# Altium PCB GSMLiftSquare.PcbDoc
Units mm, origin at the board's own origin, x right, y up, seen from the top; angles counter-clockwise.
Board outline 50.7 x 49.7 mm, 2 copper layers (Top Layer, Bottom Layer); 74 components, 38 nets, 216 pads, 173 vias.
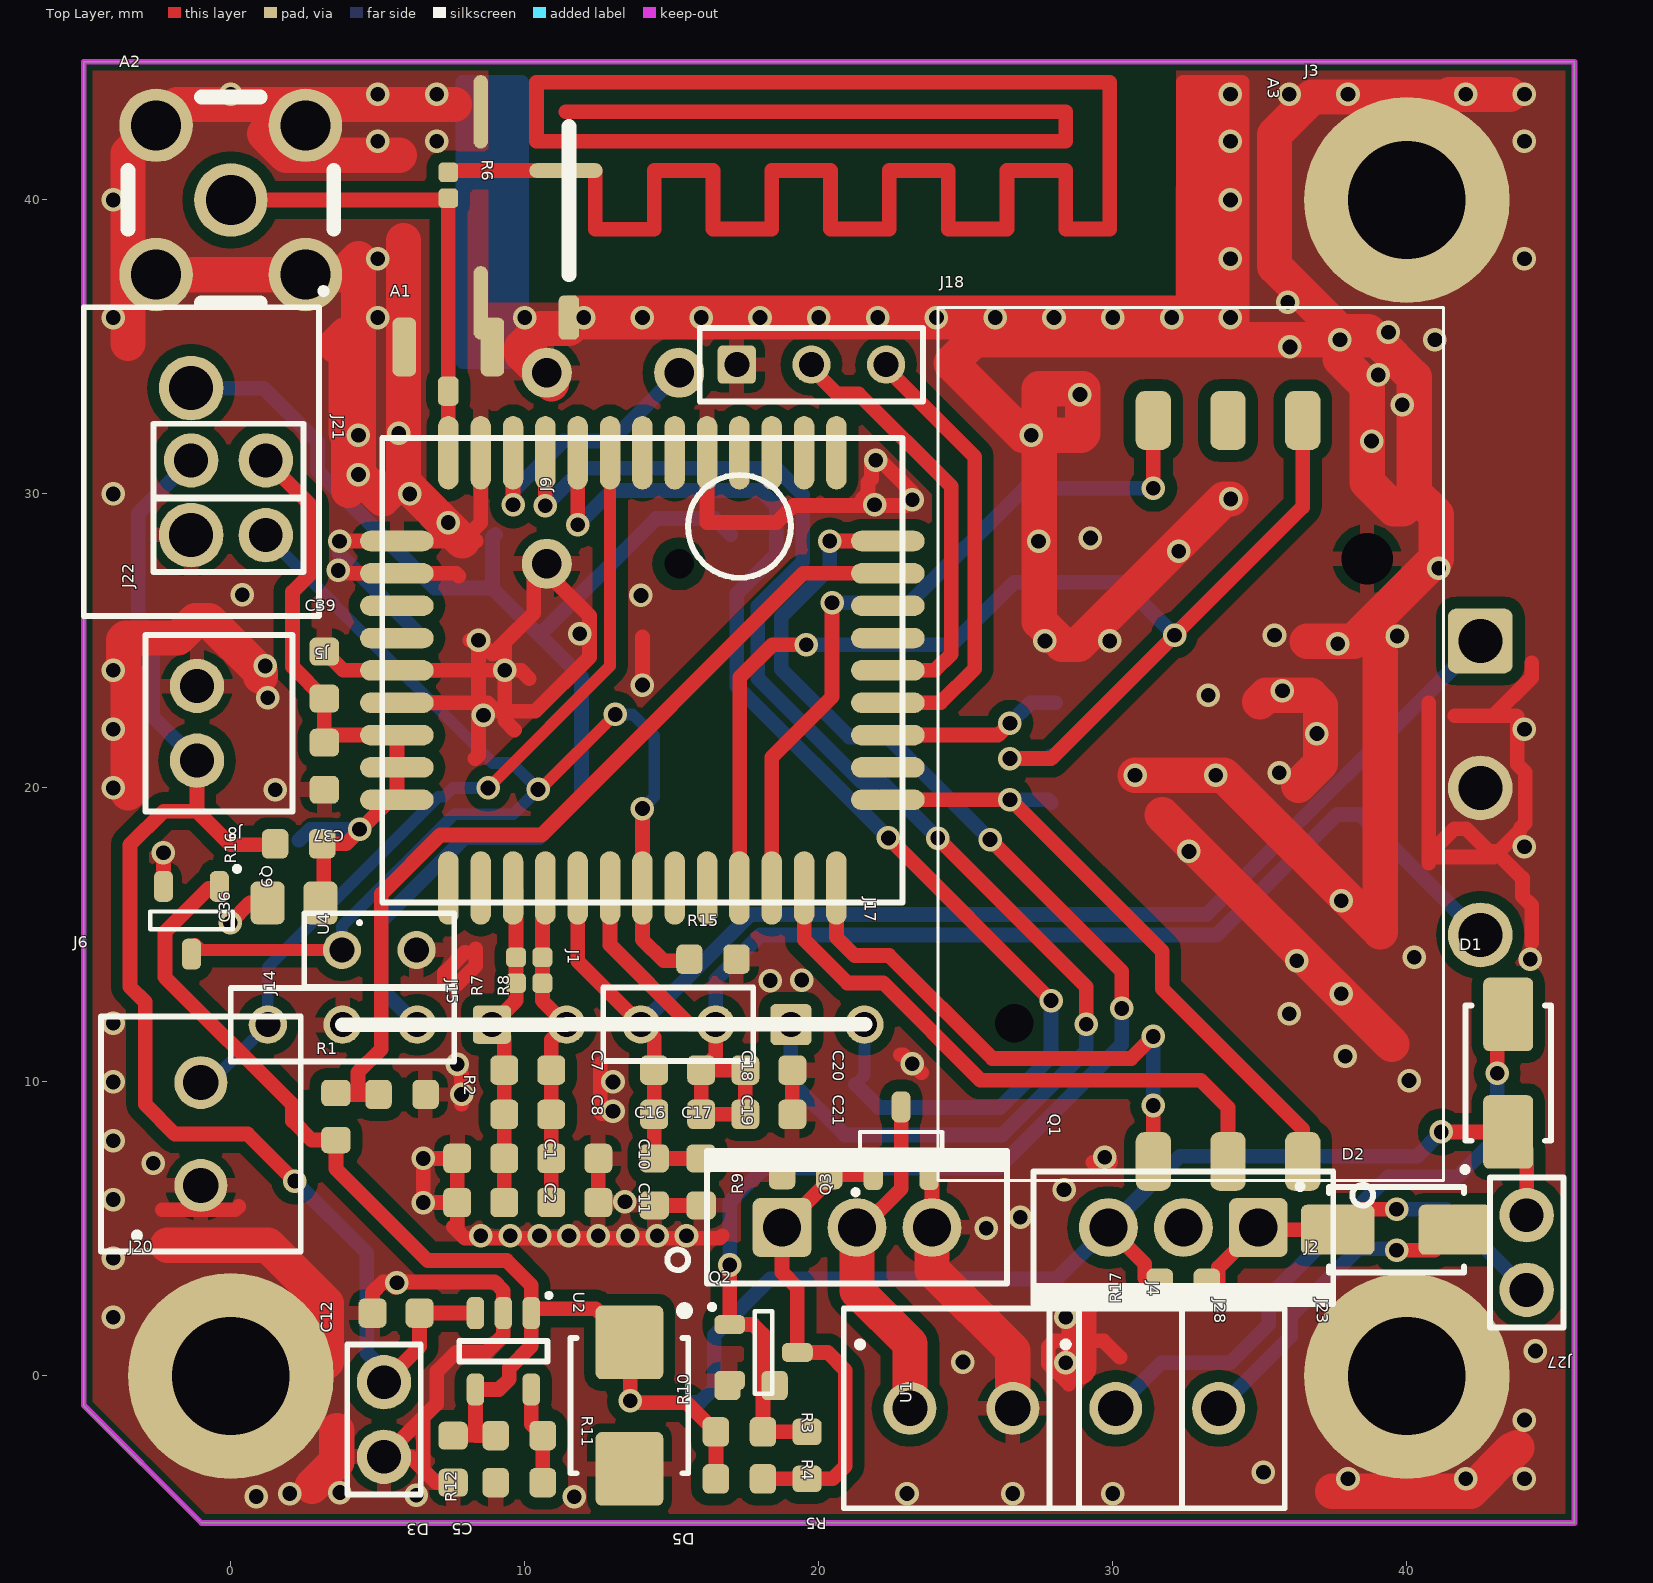
[diagram p0: Top Layer view]
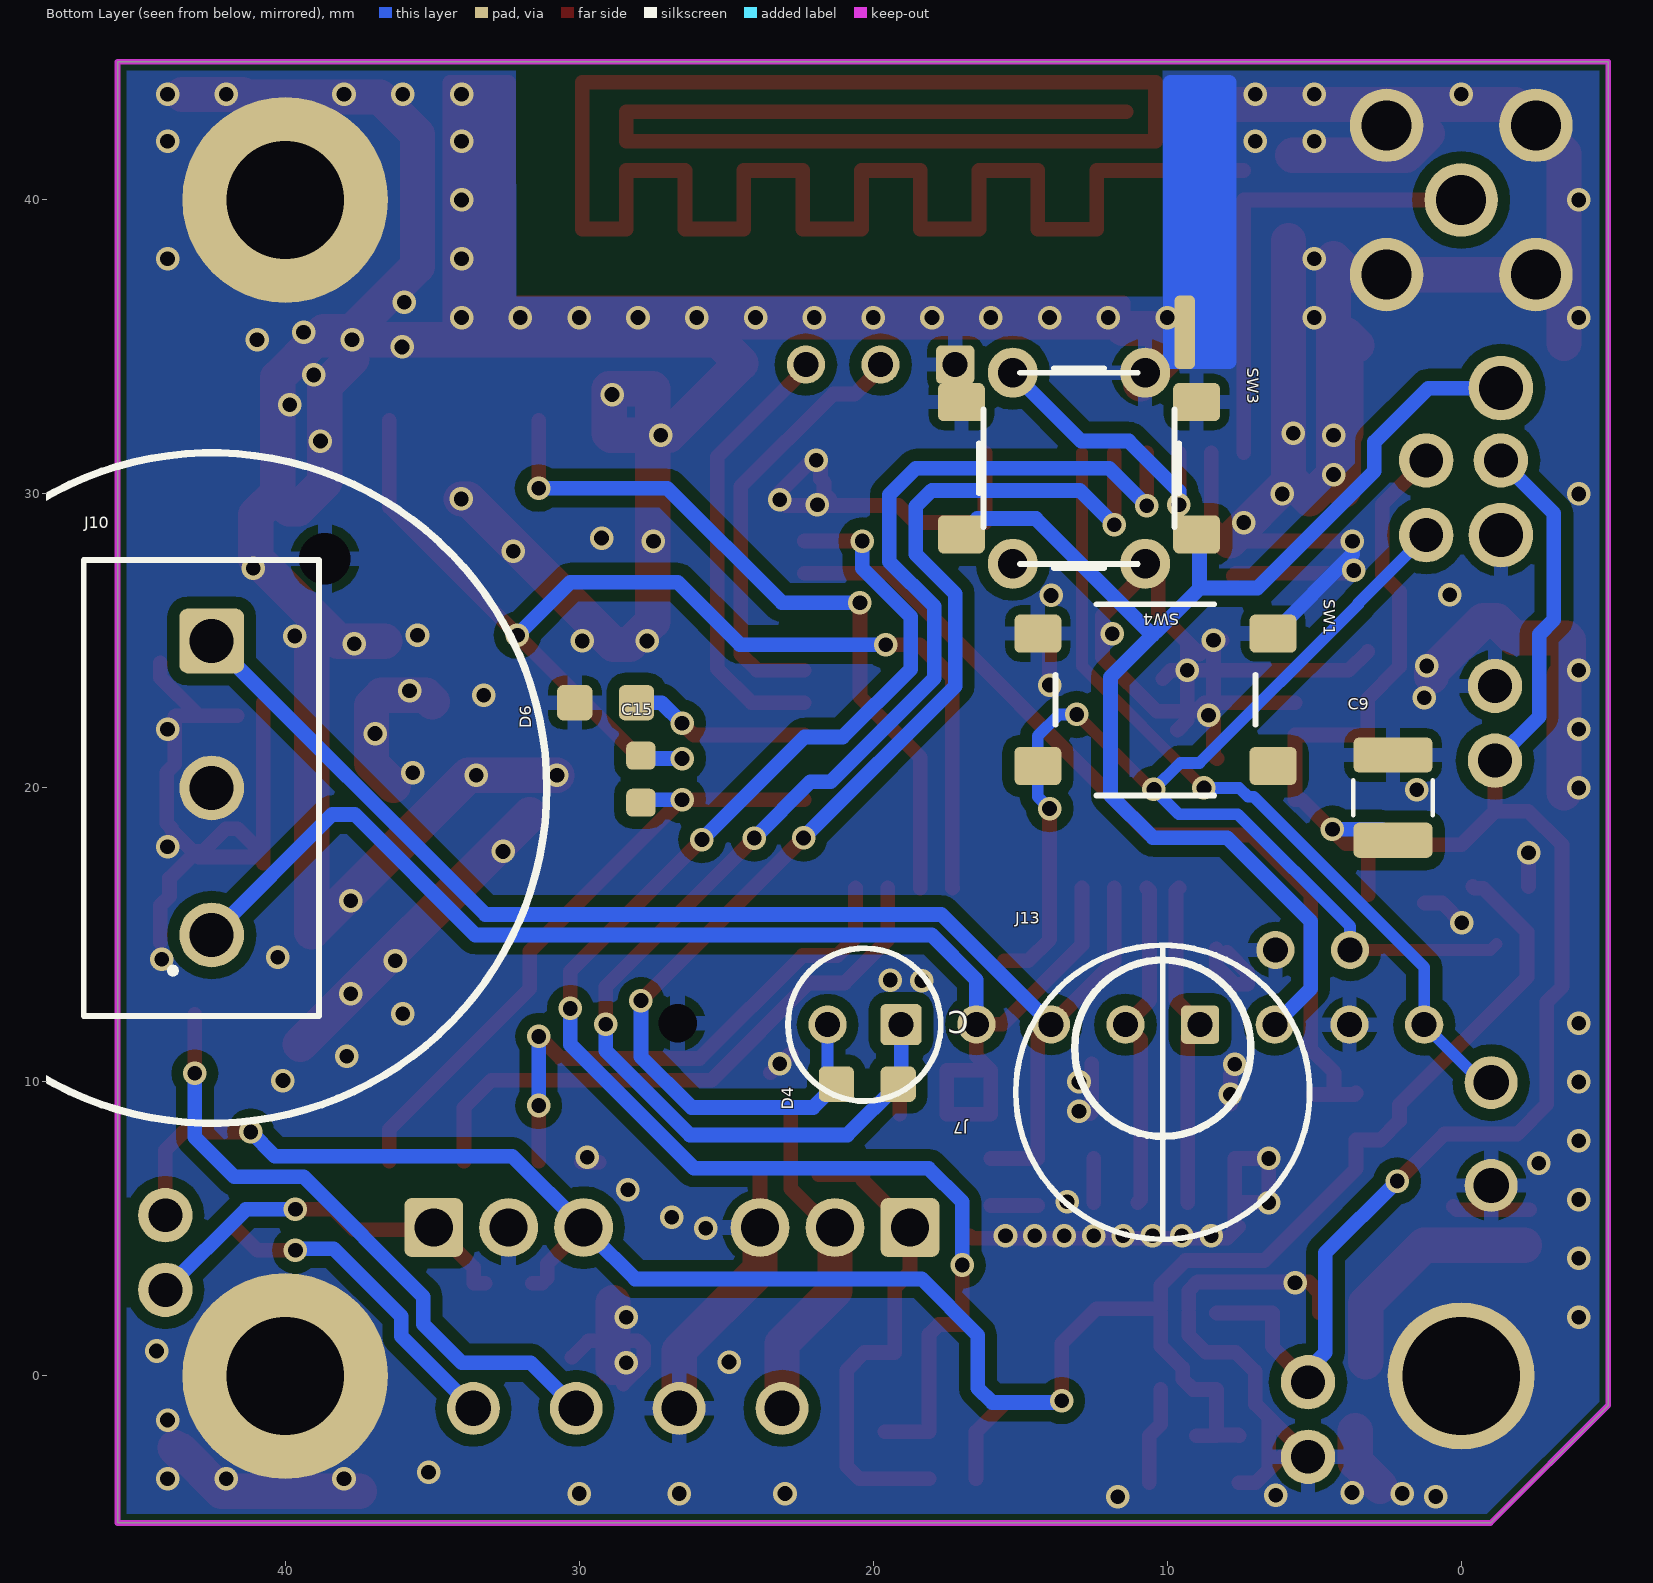
[diagram p1: Bottom Layer view, seen from below]
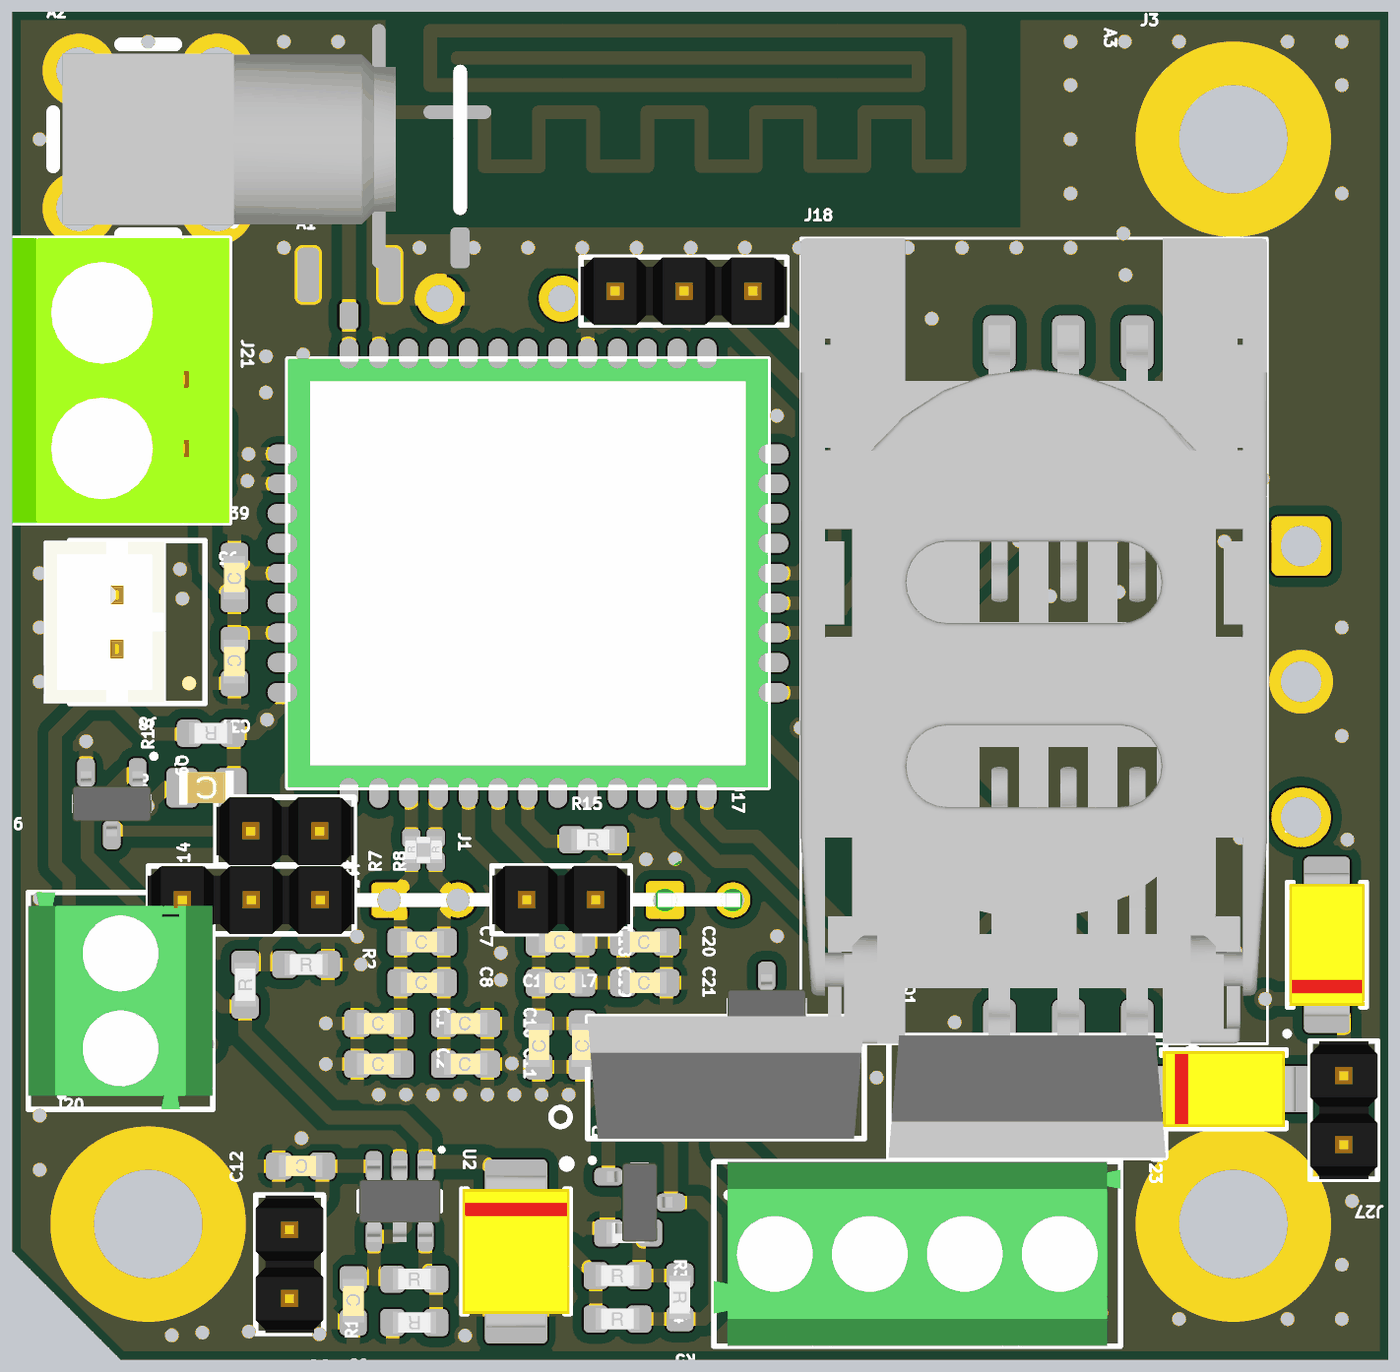
[diagram p2: 3D render of the assembled board from above, using the file's embedded part models]

## Layer stack, top to bottom
Top Solder: solder mask 0.0102, Solder Resist, Dk 3.5
Top Layer: signal copper 0.0356
Dielectric 1: dielectric 0.32, FR-4, Dk 4.8
Bottom Layer: signal copper 0.0356
Bottom Solder: solder mask 0.0102, Solder Resist, Dk 3.5

## Board outline
-5,-1 -1,-5 45.7,-5 45.7,44.7 -5,44.7

## Design rules (kind name [scope] priority, off if disabled: settings)
Clearance Clearance_Keepout [All vs OnLayer('Keep-Out Layer')] p1: gap=0.2
Clearance Clearance_Poly [All vs InPolygon] p2: gap=0.4
Clearance [All] p3: gap=0.2
ComponentClearance [All] p1 off: gap=0.254 collisioncheckmode=3 verticalgap=0.254 showdistances=FALSE
Height [All] p1 off: minheight=0 maxheight=25.4 prefheight=12.7
HoleSize [All] p1: absolutevalues=TRUE maxlimit=5 minlimit=0.025 maxpercent=80.000 minpercent=20.000
HoleToHoleClearance [All] p1: gap=0.25 allowstackedmicrovias=TRUE
PlaneClearance [All] p1: clearance=0.35
PolygonConnect DirectConnectComponents [InComponent(A1,A2,A3)] p1: connectstyle=Direct reliefconductorwidth=0 reliefentries=4 polygonreliefangle="90 Angle" airgapwidth=0.254
PolygonConnect PolygonConnect_1 [InPadClass('Flooded')] p2: connectstyle=Direct reliefconductorwidth=0.254 reliefentries=4 polygonreliefangle="90 Angle" airgapwidth=0.254
PolygonConnect PolygonConnect_GND [All vs IsVia] p3: connectstyle=Direct reliefconductorwidth=0.254 reliefentries=4 polygonreliefangle="90 Angle" airgapwidth=0.254
PolygonConnect [All] p4: connectstyle=Relief reliefconductorwidth=0.5 reliefentries=4 polygonreliefangle="90 Angle" airgapwidth=0.3
RoutingVias [All] p1: holewidth=0.711 width=1.27 viastyle="Through Hole" minholewidth=0.711 minwidth=1.27 maxholewidth=0.711 maxwidth=1.27
SolderMaskExpansion [All] p1: expansion=0.102
UnpouredPolygon [All] p1: allowunpoured=FALSE
Width [All] p1: maxlimit=5 minlimit=0.2 preferedwidth=0.5
24 further rules are at their usual default settings.

## Classes and differential pairs
pad class Flooded: J2-1 J3-1 J10-2 J20-1

## Components (designator, comment, footprint, x,y, rotation, side; value= is the part's Value field where it differs from the comment)
A1 "UFL" SMD_CON_ANTENNA_UFL 7.4,35 r0 top
A2 "SMA" SMD_CON_ANTENNA_SMA_RIGHT_ANGLE 0,40 r0 top
A3 "PCB" SMD_CON_ANTENNA_GSM_PCB_1 9.4,41 r0 top
C1 "33pF" SMD_0603_CAPC1608X95N 8.5,7.4 r0 top
C2 "10pF" SMD_0603_CAPC1608X95N 8.5,5.9 r0 top
C5 "10uF" SMD_0603_CAPC1608X95N 7.56,-2.83 r270 top
C7 "33pF" SMD_0603_CAPC1608X95N 10.1,10.4 r0 top
C8 "10pF" SMD_0603_CAPC1608X95N 10.1,8.9 r0 top
C9 "22uF" SMD_1210_CAPC3225X279N 2.32,19.67 r90 bottom
C10 "33pF" SMD_0603_CAPC1608X95N 11.7,7.4 r0 top
C11 "10pF" SMD_0603_CAPC1608X95N 11.7,5.9 r0 top
C12 "10uF" SMD_0603_CAPC1608X95N 5.62,2.14 r180 top
C15 "1uF" SMD_0603_CAPC1608X95N 27.9,20.3 r90 bottom
C16 "33pF" SMD_0603_CAPC1608X95N 14.4,6.6 r90 top
C17 "10pF" SMD_0603_CAPC1608X95N 16,6.6 r90 top
C18 "33pF" SMD_0603_CAPC1608X95N 15.2,10.4 r0 top
C19 "10pF" SMD_0603_CAPC1608X95N 15.2,8.9 r0 top
C20 "33pF" SMD_0603_CAPC1608X95N 18.3,10.4 r0 top
C21 "10pF" SMD_0603_CAPC1608X95N 18.3,8.9 r0 top
C36 "10uF" SMD_0805_CAPC2012X95N 2.15,16.09 r180 top
C37 "100nF" SMD_0603_CAPC1608X95N 3.18,20.74 r270 top
C39 "10pF" SMD_0603_CAPC1608X95N 3.18,23.84 r90 top
D1 "SS14" SMD_DO214AC_SMA 43.45,10.3 r90 top
D2 "1N4004" SMD_DO214AC_SMA 39.65,4.975 r0 top
D3 "1N4731(A) 4.3V" PTH_HDRV02W64P254_1X02#1 5.21,-1.48 r270 top
D4 "LED_CALL" SMD_0805_LED2012X100N 20.2,9.925 r0 bottom
D5 "SMBJ5.0CA" SMD_DO214AC_SMB 13.56,-1.01 r270 top
D6 "LED_NETWORK" SMD_0805_LED2012X100N 29.1,22.9 r0 bottom
J1 "DLM11G" SMD_COMMON_MODE_CHOKE 10.15,13.794 r270 top
J2 "CON_1PIN" PTH_MOUNT_HOLE#1 40,0 r0 top
J3 "CON_1PIN" PTH_MOUNT_HOLE#1 40,40 r0 top
J4 "CON_2PINS" PTH_HDRV02W11060P350_1X02 24.85,-1.1 r0 top
J5 "CON_2PINS" PTH_HDRV02W11060P500_1X02 -1,31.1 r270 top
J6 "EG350-3.5 2P" PTH_HDRV02W11060P350_1X02 -1.02,8.23 r90 top
J7 "LED_YELLOW_GREEN" PTH_LED-KINGBRIGHT-L-934SGC 20.3,11.95 r0 bottom
J8 "DW02S" PTH_HDRV02W64P254_1X02_BATTERY -1.15,22.2 r270 top
J9 "CON_3PINS" PTH_HDRV03W64P254_1X03#1 19.75,34.4 r180 top
J10 "SPEAKER" PTH_SPEAKER_MCABS-227-RC 42.5,20 r90 bottom
J13 "LD-MC-9765" PTH_MIC_9.6MM_6MM 10.15,11.15 r180 bottom
J14 "CON_2PINS" PTH_HDRV02W64P254_1X02#2 5.05,14.49 r180 top
J15 "CON_3PINS" PTH_HDRV03W64P254_1X03#2 3.8,11.95 r0 top
J17 "CON_2PINS" PTH_HDRV02W64P254_1X02#2 15.22,11.96 r0 top
J18 "GSM SIMH" SMD_CON-ATTEND_SIM_115B-AAA0-R01 38.65,27.8 r90 top locked
J20 "CON_1PIN" PTH_MOUNT_HOLE#2 0,0 r0 top
J21 "CON_2PINS" PTH_HDRV02W64P254_1X02#1 -0.08,31.14 r0 top
J22 "CON_2PINS" PTH_HDRV02W64P254_1X02#3 -0.08,28.6 r180 top
J23 "CON_2PINS" PTH_HDRV02W11060P350_1X02 31.85,-1.1 r0 top
J27 "CON_2PINS" PTH_HDRV02W64P254_1X02#1 44.075,4.2 r270 top
J28 "EG350-3.5 3P" PTH_HDRV02W11060P350_1X03 26.6,-1.1 r0 top
Q1 "AP9987GJ" PTH_TO220AB 21.3,5.4 r0 top
Q2 "BC817" SMD_SOT23_SOT95P240X120-3N 18.12,0.8 r0 top
Q3 "BC817" SMD_SOT23_SOT95P240X120-3N 22.8,8 r90 top
Q9 "DTC114YKA" SMD_SOT23_SOT95P240X120-3N -1.34,15.5 r270 top
R1 "10k" SMD_0603_RESC1608X55N 3.575,8.825 r90 top
R2 "10k" SMD_0603_RESC1608X55N 5.825,9.575 r0 top
R3 "10k" SMD_0603_RESC1608X55N 17.3,-1.9 r0 top
R4 "10k" SMD_0603_RESC1608X55N 17.3,-3.5 r0 top
R5 "0" SMD_0603_RESC1608X55N 19.6,-2.7 r270 top
R6 "0" SMD_0402_RESC1005X37N 7.4,40.5 r270 top
R7 "0" SMD_0402_RESC1005X37N 9.7,13.8 r90 top
R8 "0" SMD_0402_RESC1005X37N 10.6,13.8 r90 top
R9 "10k" SMD_0603_RESC1608X55N 19.55,6.85 r180 top
R10 "10k" SMD_0603_RESC1608X55N 17.695,-0.325 r180 top
R11 "10k" SMD_0603_RESC1608X55N 9.81,-2.03 r0 top
R12 "10k" SMD_0603_RESC1608X55N 9.81,-3.63 r180 top
R15 "0" SMD_0603_RESC1608X55N 16.4,14.175 r0 top
R16 "0" SMD_0603_RESC1608X55N 2.31,18.1 r180 top
R17 "0" SMD_0603_RESC1608X55N 32.4,3.15 r180 top
SW1 "DTSM-62N" SMD_SW_TACT-64K_5 10.4,23 r270 bottom
SW3 "DTSM-65N" SMD_SW_TACT-64K_5 13,30.875 r270 bottom
SW4 "TS-062 (TS-2)" PTH_SWI_TACT-62K_5 13,30.875 r0 bottom
U1 "IC_7805" PTH_TO220AB 32.4,4.7 r180 top
U2 "MCP73811 450mA" "SMD_SOT26_SOT95P285X140-5N - DLV" 9.27,0.84 r270 top
U4 "QUECTEL_M66" SMD_MOD_M66-44N 14,24 r90 top locked

## Footprints (in the part's own frame and the unit in brackets; to place one, negate y for a bottom-side part, rotate by r counter-clockwise, add the part's x,y. Pads: shape width x height; smd on the part's side, far side on the other; paste and mask are expansions set on the pad)
PTH_HDRV02W64P254_1X02#1 [mm]
  round 1.85 hole 1.15 mask+0.075: 1(-1.27,0) 2(1.27,0)
  silkscreen extent -2.55,-1.25 2.55,1.25, body extent -2.54,-1.25 2.54,1.25, height 8
PTH_HDRV02W64P254_1X02#2 [mm]
  round 1.3 hole 0.85 mask+0.075: 1(-1.27,0) 2(1.27,0)
  silkscreen extent -2.55,-1.25 2.55,1.25, body extent -2.54,-1.25 2.54,1.25, height 8
PTH_HDRV02W64P254_1X02#3 [mm]
  round 1.85 hole 1.15 mask+0.075: 1(-1.27,0)
  silkscreen extent -2.55,-1.25 2.55,1.25, body extent -2.54,-1.25 2.54,1.25, height 8
PTH_HDRV02W64P254_1X02_BATTERY [mm]
  round 1.85 hole 1.15 mask+0.075: 1(-1.27,0) 2(1.27,0)
  silkscreen extent -3,-1.75 3,3.25, body extent -3,-2.7 3,1.8, height 6
PTH_HDRV02W11060P350_1X02 [mm]
  round 1.8 hole 1.2 mask+0.075: 1(-1.75,0) 2(1.75,0)
  silkscreen extent -4,-3.4 4,3.4, body extent -4,-3.4 4,3.4, height 8.4
PTH_HDRV02W11060P350_1X03 [mm]
  silkscreen extent -5.75,-3.4 5.75,3.4, body extent -5.75,-2.9 5.75,2.9, height 8.4
PTH_HDRV02W11060P500_1X02 [mm]
  round 2.2 hole 1.5 mask+0.075: 1(-2.5,-0.35) 2(2.5,-0.35)
  silkscreen extent -6,-4 5.25,4.35, body extent -5.25,-4 5.25,4, height 11
PTH_HDRV03W64P254_1X03#1 [mm]
  round 1.3 hole 0.85 mask+0.075: 1(-2.54,0) 2(0,0)
  rrect25% 1.3x1.3 hole 0.85 mask+0.075: 3(2.54,0)
  silkscreen extent -3.8,-1.25 3.8,1.25, body extent -3.81,-1.25 3.81,1.25, height 8
PTH_HDRV03W64P254_1X03#2 [mm]
  round 1.3 hole 0.85 mask+0.075: 1(-2.54,0) 2(0,0) 3(2.54,0)
  silkscreen extent -3.8,-1.25 3.8,1.25, body extent -3.81,-1.25 3.81,1.25, height 8
PTH_LED-KINGBRIGHT-L-934SGC [mm]
  rrect25% 1.4x1.4 / inner round 1.4 / far side rrect25% 1.4x1.4 hole 0.85 mask+0.075: 1(-1.25,0)
  round 1.3 hole 0.85 mask+0.075: 2(1.25,0)
  silkscreen extent -2.6,-2.6 2.6,2.6, body extent -1.6,-1.6 1.6,1.6, height 5.9
PTH_MIC_9.6MM_6MM [mm] "ECM-60PC PMO-6027P-40KDQ(20120820)"
  round 1.3 hole 0.85: 1(-1.27,0.8)
  rrect25% 1.3x1.3 hole 0.85: 2(1.27,0.8)
  silkscreen extent -5,-6.5 5,3.5, body extent -4.81,-6.34 4.85,3.34, height 6.5
PTH_MOUNT_HOLE#1 [mm]
  round 7 hole 4: 1(0,0)
PTH_MOUNT_HOLE#2 [mm]
  round 7 / inner round 7 / far side round 5 hole 4: 1(0,0)
PTH_SPEAKER_MCABS-227-RC [mm]
  round 2.2 hole 1.5 mask+0.075: 1(-5,0) 2(0,0)
  rrect25% 2.2x2.2 hole 1.5 mask+0.075: 3(5,0)
  silkscreen extent -11.4,-11.4 11.4,11.4, body extent -11.31,-11.38 11.4,11.38, height 8.7
PTH_SWI_TACT-62K_5 [mm]
  round 1.7 hole 1 mask+0.075: 1(-2.25,3.25) 2(-2.25,-3.25) 4(2.25,-3.25)
  round 1.7 / inner round 1.7 / far side round 0.5 hole 1 mask+0.075: 3(2.25,3.25)
  silkscreen extent -3.25,-3.4 3.25,3.4, body extent -1.74,-1.75 1.75,1.75, height 5
PTH_TO220AB [mm]
  rrect25% 2x2 hole 1.3 mask+0.075: 1(-2.55,-0.35)
  round 2 hole 1.3 mask+0.075: 2(0,-0.35) 3(2.55,-0.35)
  silkscreen extent -6.45,-2.25 5.1,2.25, body extent -5.12,-2.25 5.12,2.26, height 19.2
SMD_0402_RESC1005X37N [mm]
  rrect45% 0.67x0.67 smd mask+0.05: 1(-0.44,0) 2(0.44,0)
  body extent -0.5,-0.25 0.5,0.25, height 0.37
SMD_0603_CAPC1608X95N [mm]
  rrect42% 0.95x1 smd mask+0.075: 1(-0.8,0) 2(0.8,0)
  body extent -0.8,-0.4 0.8,0.4, height 0.95
SMD_0603_RESC1608X55N [mm]
  rrect44% 0.9x1 smd mask+0.075: 1(-0.8,0) 2(0.8,0)
  body extent -0.8,-0.4 0.8,0.4, height 0.55
SMD_0805_CAPC2012X95N [mm]
  rrect35% 1.15x1.45 smd mask+0.075: 1(-0.9,0) 2(0.9,0)
  body extent -1,-0.62 1,0.63, height 1.25
SMD_0805_LED2012X100N [mm]
  rrect33% 1.2x1.2 smd mask+0.075: 1(-1.05,0) 2(1.05,0)
SMD_1210_CAPC3225X279N [mm]
  rrect35% 1.2x2.7 smd mask+0.075: 1(-1.45,0) 2(1.45,0)
  silkscreen extent -0.6,-1.35 0.6,1.35, body extent -1.6,-1.25 1.6,1.25, height 2.79
SMD_COMMON_MODE_CHOKE [mm] "DLM11G"
  rrect65% 0.5x0.6 smd mask+0.05: 1(-0.4,0.45) 2(0.4,0.45) 3(0.4,-0.45) 4(-0.4,-0.45)
  body extent -0.5,-0.27 0.5,0.28, height 0.55
SMD_CON-ATTEND_SIM_115B-AAA0-R01 [mm] "ATTEND SIM Holder 115B-AAA0-R01"
  rrect50% 2x1.2 smd mask+0.05: 1(-20.5,2.19) 2(-20.5,4.73) 3(-20.5,7.27) 5(4.7,2.19) 6(4.7,4.73) 7(4.7,7.27)
  rrect50% 1x1 hole 1.3 mask+0.05: 13(-15.8,12)
  rrect50% 1x1 hole 1.75 mask+0.05: 14(0,0)
  silkscreen extent -21.15,-2.6 8.55,14.6, body extent -21.15,-2.6 8.55,14.6, height 2.4
SMD_CON_ANTENNA_GSM_PCB_1 [mm]
  oval 2.5x0.5 smd: 1(2,0)
  oval 0.5x2.5 smd: 2(-0.9,-4.498) 2(-0.9,2)
  rrect50% 0.7x2.5 smd far side: 2(0,-5.5)
  rrect50% 0.7x1.5 smd: 2(2.1,-5)
  Top Layer lines w0.5: 2,2 19,2 19,1 1,1 1,3 20.5,3 20.5,-1.99 19,-1.99 19,0 17,0 17,-1.99 15,-1.99 15,0 13,0 13,-1.99 11,-1.99 11,0 9,0 9,-1.99 7,-1.99 7,0 5,0 5,-2 3,-2 3,0 ; 23.5,3 23.5,-5.496 ; 24,-5.496 24,3 24.5,3 24.5,-5.496 ; 2.1,-5.496 2.1,-5.375 ; 2.1,-5.496 2.1,-5.375 ; 2.1,-5.496 2.1,-5.375 ; 2.1,-5.496 2.1,-5.375 ; 2.1,-5.496 3,-5.496 ; 2.1,-5.375 2.1,-5 ; 2.1,-5.375 2.1,-5 ; 2.1,-5.375 2.1,-5 ; 2.1,-5.375 2.1,-5 ; 2.1,-5 2.1,-4.998 ; 2.1,-5 2.1,-4.998 ; 2.1,-5 2.1,-4.998 ; 2.1,-5 2.1,-4.998 ; 2.1,-4.998 3.8,-4.998 6.8,-4.998 23,-4.998 ; 2.1,-4.998 2.1,-4.996 ; 2.1,-4.998 2.1,-4.996 ; 2.1,-4.998 2.1,-4.996 ; 2.1,-4.998 2.1,-4.996 ; 2.1,-4.996 2.1,-4.5 ; 2.1,-4.996 2.1,-4.5 ; 2.1,-4.996 2.1,-4.5 ; 2.1,-4.5 2.1,-4.496 2.1,-4.5 ; 2.1,-4.5 2.572,-4.5 23,-4.5 ; 3,-5.496 5,-5.496 ; 3,-5.496 5,-5.496 ; 3,0 3,0 ; 5,-5.496 13.711,-5.496 23,-5.496 ; 23,-5.496 23.5,-5.496 ; 23,-5.496 23,-4.998 ; 23,-5.496 23,-4.998 ; 23,-4.998 23,-4.5 ; 23,-4.998 23,-4.5 ; 23,-4.5 23,3 25,3 25,-5.496 24.5,-5.496 ; 23.5,-5.496 24.5,-5.496
  Bottom Layer lines w0.5: -1,-6.5 -1.5,-6.5 -1.5,-3.54 -1.5,1.54 -1.5,3 -1,3 ; -1,-6.5 -0.5,-6.5 ; -1,-6.5 -1,-3.54 -1,1.54 -1,3 ; -1,3 -0.5,3 ; -0.5,-6.5 0,-6.5 ; -0.5,-6.5 -0.5,-5.5 -0.5,3 ; -0.5,3 0,3 ; 0,-6.5 0.5,-6.5 0.5,-5.5 0.5,3 0,3 ; 0,-6.5 0,-5.5 0,3
SMD_CON_ANTENNA_SMA_RIGHT_ANGLE [mm]
  round 2.5 hole 1.7: 1(0,0) 2(-2.54,-2.54) 2(-2.54,2.54) 2(2.54,-2.54) 2(2.54,2.54)
  silkscreen extent -3.5,-3.5 11.5,3.5, body extent -3.15,-3.16 9.13,3.15, height 9.7
SMD_CON_ANTENNA_UFL [mm]
  rrect50% 0.7x1 smd: 1(0,-1.5)
  rrect50% 0.8x2 smd: 2(-1.5,0) 2(1.5,0)
SMD_DO214AC_SMA [mm]
  rrect24% 2.5x1.7 smd mask+0.075: 1(-2,0) 2(2,0)
  silkscreen extent -3.46,-1.45 2.3,1.65, body extent -2.64,-1.39 2.64,1.4, height 2.29
SMD_DO214AC_SMB [mm]
  rrect17% 2.5x2.3 smd mask+0.075: 1(-2.15,0) 2(2.15,0)
  silkscreen extent -3.37,-2 2.3,2.01, body extent -2.8,-1.97 2.8,1.98, height 2.65
SMD_MOD_M66-44N [mm] "Quectel M66"
  oval 2.5x0.7 smd mask+0.075: 1(-7.4,6.6) 2(-7.4,5.5) 3(-7.4,4.4) 4(-7.4,3.3) 5(-7.4,2.2) 6(-7.4,1.1) 7(-7.4,0) 8(-7.4,-1.1) 9(-7.4,-2.2) 10(-7.4,-3.3) 11(-7.4,-4.4) 12(-7.4,-5.5) 13(-7.4,-6.6) 23(7.4,-6.6) 24(7.4,-5.5) 25(7.4,-4.4) 26(7.4,-3.3) 27(7.4,-2.2) 28(7.4,-1.1) 29(7.4,0) 30(7.4,1.1) 31(7.4,2.2) 32(7.4,3.3) 33(7.4,4.4) 34(7.4,5.5) 35(7.4,6.6)
  oval 0.7x2.5 smd mask+0.075: 14(-4.4,-8.35) 15(-3.3,-8.35) 16(-2.2,-8.35) 17(-1.1,-8.35) 18(0,-8.35) 19(1.1,-8.35) 20(2.2,-8.35) 21(3.3,-8.35) 22(4.4,-8.35) 36(4.4,8.35) 37(3.3,8.35) 38(2.2,8.35) 39(1.1,8.35) 40(0,8.35) 41(-1.1,8.35) 42(-2.2,8.35) 43(-3.3,8.35) 44(-4.4,8.35)
  silkscreen extent -8.69,-8.85 7.9,9.73, body extent -7.9,-8.85 7.9,8.85, height 2.3
SMD_SOT23_SOT95P240X120-3N [mm]
  rrect62% 1.05x0.65 smd mask+0.075: 1(-1.15,0.95) 2(-1.15,-0.95) 3(1.15,0)
  silkscreen extent -1.82,-1.4 0.3,1.62, body extent -1.2,-1.45 1.2,1.45, height 1.2
"SMD_SOT26_SOT95P285X140-5N - DLV" [mm]
  rrect67% 1.1x0.6 smd mask+0.075: 1(-1.3,0.95) 2(-1.3,0) 3(-1.3,-0.95) 4(1.3,-0.95) 5(1.3,0.95)
  silkscreen extent -2.05,-1.5 0.35,1.7, body extent -1.5,-1.5 1.5,1.5, height 1.2
SMD_SW_TACT-64K_5 [mm]
  rrect31% 1.3x1.6 smd mask+0.075: 1(-2.25,4) 2(-2.25,-4) 3(2.25,4) 4(2.25,-4)
  silkscreen extent -3.25,-3.4 3.25,3.4, body extent -1.74,-1.75 1.75,1.75, height 5

## Part data
A1 A2 A3: library part ANTENNA_2
C1 C2 C5 C7 C8 C10 C11 C12 C15 C16 C17 C18 C19 C20 C21 C36 C37 C39: library part C
C9: library part "Cap Semi", "CL32A227MQVNNNE 220UF 6.3V 20% X5R 1210"
D1 D2 D3 D4 D5 D6: library part D
J1: library part CON_4PINS
J6 J7 J8 J13: library part CON_2PINS
J10 J28: library part CON_3PINS
J18: library part CON_14PINS
Q1: library part MOS_N_D1_G1D2S3
Q2 Q3 Q9: library part BJT_NPN_B1E2C3
R1 R2 R3 R4 R5 R6 R7 R8 R9 R10 R11 R12 R15 R16 R17: library part R
SW1 SW3 SW4: library part BUTTON_1
U2: "MCP73812"
U4: library part MOD_QUECTEL_M66

## Via types
v1: diameter 0.8, hole 0.5, Top Layer to Bottom Layer, tented both sides, 173 vias

## Nets (pads, with @x,y where several pads share a name; then routed paths per layer and width w, separated by ;. In a path a pad name is that pad's centre, name@x,y a point inside that pad or via, vN(x,y) a via of type N, cw(c..) or ccw(c..) an arc to the next point about the centre after c; other vN are vias at no path point)
5.0V: C5.1 D1.1 D5.1 J27.1 Q9.1 R1.1 R3.1 R4.1 R11.1 R17.2 U1.3 U2.1 U2.4 | length 80.5
  Top Layer w0.5: Q9.1 -0.45,16.59 -0.75,16.59 -2.24,15.1 -2.24,13.57 2.1,9.23 2.1,8.675 2.75,8.025 R1.1 3.575,7.052 6.702,3.925 8.852,3.925 8.857,3.93 9.143,3.93 9.148,3.925 9.385,3.925 10.22,3.09 10.22,2.29 12.41,2.29 D5.1 13.59,1.11 v1(13.59,-0.84) 13.66,-0.91 15.51,-0.91 R3.1 R4.1 ; C5.1 7.58,-2.01 8.32,-2.01 ; R11.1 8.34,-2.03 8.32,-2.01 ; U2.1 10.22,1.02 9.47,0.27 9.47,-0.11 9.12,-0.46 U2.4 8.32,-2.01 ; U1.3 31.087,3.813 31.087,3.331 31.268,3.15 R17.2 ; v1(41.175,8.3) D1.1@43.075,8.3 ; D1.1 44.075,7.675 J27.1
  Bottom Layer w0.5: v1(13.59,-0.84) 13.65,-0.9 15.95,-0.9 16.441,-0.409 16.441,1.391 18.35,3.3 28.1,3.3 29.6,4.8 U1.3@30,4.8 ; U1.3 32.275,7.475 40.35,7.475 v1(41.175,8.3)
12V: D2.1 J27.2 R17.1 U1.1 | length 13.4
  Top Layer w0.5: R17.1 33.587,3.15 33.587,3.687 U1.1 35.025,4.975 D2.1 38.35,5.675 v1(39.65,5.675)
  Bottom Layer w0.5: v1(39.65,5.675) 41.33,5.675 J27.2
AGND: U4.1
BT_ANT: U4.26
BTN_CALL: J5.1 J15.3 SW3.3 SW3.4 SW4.4 U4.33 | length 54.3
  Top Layer w0.5: v1(9.6,29.629) U4.33
  Bottom Layer w0.5: J5.1 1.119,33.6 2.954,31.765 2.954,30.776 6.93,26.8 8.9,26.8 ; J15.3 5.12,13.17 5.12,15.47 7.96,18.31 10.48,18.31 11.93,19.76 11.93,23.77 8.9,26.8 ; SW3.3 8.9,28.525 8.9,26.8 ; v1(9.6,29.629) 9.6,30.1 11.3,31.8 12.925,31.8 SW4.4 ; 10.5,25.2 14.464,29.164 16.461,29.164 SW3.4
BTN_CALL_DENY: J6.2 J15.1 U4.30 | length 28.2
  Top Layer w0.4: J6.2 J6.2@-0.71,9.98 ; v1(8.75,20) 12.9,24.15 U4.30
  Bottom Layer w0.4: J6.2@-0.71,9.98 J15.1 1.26,13.9 7.06,19.7 7.248,19.7 7.547,20 v1(8.75,20)
DIV_IN: U4.28
GATE: Q1.1 Q2.3 Q3.1 R4.2 R5.2 R9.1 | length 16.4
  Top Layer w0.5: R4.2 R5.2 20.47,-3.5 20.9,-3.07 20.9,0.2 20.3,0.8 Q2.3 19.27,3 18.75,3.52 Q1.1 R9.1@20.35,6.65 ; R9.1 Q3.1
GND: A1.2 A2.2 A3.2 C1.1 C2.1 C5.2 C9.2 C10.2 C11.2 C12.2 C16.1 C17.1 C20.2 C21.2 C36.2 C37.2 C39.2 D3.2 D5.2 D6.2 J2.1 J3.1 J4.2 J5.2 J6.1 J8.1 J9.3 J10.2 J14.1 J15.2 J18.13 J18.14 J20.1 Q1.3 Q2.2 Q3.2 Q9.2 R2.2 R9.2 R10.2 R12.2 R15.2 SW1.1 SW1.2 SW3.1 SW3.2 SW4.1 SW4.2 U1.2 U2.2 U4.27 U4.34 U4.36 U4.37 U4.40 U4.41 | length 356
  Top Layer w0.5: -2.331,5.65 0.153,5.65 0.27,5.767 ; Q9.2 v1(-2.29,17.8) ; v1(-0.022,15.417) 0.651,16.09 C36.2 ; C39.2 3.82,24 U4.40 8.425,24 ; v1(3.655,27.4) 3.755,27.3 U4.37 7.657,27.3 7.75,27.207 ; v1(3.7,28.393) 3.707,28.4 U4.36 7.874,28.4 ; C12.2@4.82,2.15 4.82,2.84 5.18,3.2 8.97,3.2 9.27,2.9 U2.2@9.27,2.29 ; U4.41 8.425,22.9 ; 6.56,-1.4 6.55,-1.41 ; C5.2 6.99,-3.63 6.55,-3.19 ; 7.573,5.075 7.7,4.948 ; v1@7.75,10.35 7.844,10.256 v1@7.844,9.243 ; 7.963,14.413 7.27,13.721 7.27,13.32 7.7,13.32 8.329,13.95 8.329,14.52 ; v1@8.131,25.025 v1(8.425,25.025) ; 8.309,21 8.425,21.116 8.425,22.9 ; 8.347,28.4 7.874,28.4 ; U4.34 8.5,29.026 7.874,28.4 ; U2.2 9.27,1.39 8.69,0.81 7.67,0.81 7.01,0.15 7.01,-0.95 6.55,-1.41 ; 9.65,21.97 9.315,22.305 9.315,22.61 ; 10.15,23.72 9.87,24 v1(9.315,24) ; C11.2 C10.2 ; 12.57,10.61 12.57,8.977 v1@12.629,8.918 ; v1(14,23.5) 14,25.137 ; C16.1 C17.1 ; U4.27 16.2,29.027 18.559,29.027 19.138,29.606 22.977,29.606 v1(23.177,29.807) 23.177,30.056 22.088,31.145 v1(21.941,31.145) 21.79,30.994 21.79,30.51 21.671,30.392 21.671,30.03 21.473,29.832 ; 16.72,4.775 16.633,4.688 7.96,4.688 7.7,4.948 ; C21.2 C20.2 ; 22.773,10.927 22.873,10.927 23.49,10.31 ; Q1.3 Q3.2@23.85,6.975 ; 28.496,-0.271 27.8,0.425 27.8,0.996 28.004,1.2 28.852,1.2 29.682,1.2 30.243,0.639 ; 29.325,7.266 v1@29.924,7.266 ; 40.75,17.439 40.75,17.75 ; 40.75,22.899 40.75,17.75 ; 41.633,22.456 42.948,22.456 ; 44.25,14.736 44.25,16.003 43.932,16.321 43.932,16.935 43.082,17.786 43.025,17.842 42.793,17.842 42.023,18.613 41.613,18.613 40.75,17.75 ; 44.25,24.25 44.25,23.758 42.948,22.456 ; 6.55,-3.19 6.11,-2.75 D3.2 6.55,-1.41 ; 6.55,-3.19 6.55,-1.41 ; 7.7,4.948 C2.1 ; C2.1 v1(6.55,5.9) v1(6.55,7.4) C1.1 C2.1 ; 8.425,22.9 8.425,24 ; 8.425,22.9 8.74,22.9 9.03,22.61 9.315,22.61 ; 8.425,24 v1(8.425,25.025) ; 8.425,24 v1(9.315,24) ; v1(8.425,25.025) 8.9,24.55 9.315,24.965 ; 9.315,22.61 v1(9.315,24) ; 9.315,22.61 10.36,22.61 12.2,24.45 12.2,25.858 10.558,27.5 10.456,27.5 10.3,27.344 10.3,25.95 9.315,24.965 ; v1(9.315,24) 9.315,24.965 ; 40.75,17.75 40.846,17.654 42.951,17.654 43.86,18.564 43.86,18.632 44.025,18.797 44.025,20.536 43.753,20.808 43.753,22.429 43.727,22.456 42.948,22.456
  Top Layer w1.2: -3.5,19.843 -3.5,23.795 -3.645,23.94 -3.645,25.025 -3.57,25.1 -1.801,25.1 -1.201,25.7 -0.75,25.7 1.01,23.94 v1@1.01,23.799 ; -3.5,35.125 -3.5,41.58 -1.83,43.25 7.612,43.25 ; A2.2@-2.54,37.46 3.801,37.46 4.341,38 v1(4.341,30.661) 5.164,29.838 5.873,30.546 ; -2.15,4.447 1.266,4.447 3.245,2.468 J20.1@3.245,0.482 ; 1.156,42.25 1.884,41.521 5.727,41.521 ; 2.765,-3.75 3.602,-2.913 3.602,-1.865 ; 3.549,35.054 3.92,35.425 3.92,32.08 4,32 4,30.124 ; 5.873,38.621 5.873,30.546 ; 7.874,28.4 5.873,30.401 5.873,30.546 ; SW4.2@10.909,33.75 9.9,34.759 9.9,35 10.525,35.625 A3.2@11.5,35.625 ; Q1.3 23.85,3.612 26.6,0.862 J4.2 ; 28.852,0.298 28.852,1.2 28.852,2.495 ; v1(30.756,20.432) 33.774,20.432 39.101,15.105 39.101,24.592 ; 31.68,19.091 39.488,11.283 ; v1(34.012,29.832) 33.779,29.832 28.827,24.88 28.284,24.88 27.5,25.664 v1@27.5,32 ; 35,22.933 35.217,23.15 36.724,23.15 37.066,22.808 37.066,20.839 36.314,20.087 ; 36.617,24.991 38.191,24.991 41,27.8 41,29.292 40.25,30.042 40.25,33.968 38.968,35.25 ; 37.475,-3.925 42.165,-3.925 43.566,-2.524 ; 39.874,29.501 39.553,29.501 38.65,30.404 38.65,33.671 37.725,34.596 v1(37.725,35.25) ; 43.445,-2.75 43.75,-2.445 ; 43.5,43.587 41.451,43.587 41.363,43.5 36.778,43.5 35.5,42.222 35.5,37.75 v1@37.725,35.525 ; v1@27.5,32 28.92,32 28.98,32.06 28.98,33.576 27.5,33.576 v1@27.5,32 ; v1@27.5,32 26.95,32 24.5,34.45 25.3,35.25 v1(37.725,35.25) ; v1(37.725,35.25) 38.968,35.25 ; v1(37.725,35.25) v1@37.725,35.525 ; v1@37.725,35.525 38.693,35.525 38.968,35.25
  Bottom Layer w0.5: v1(3.7,28.393) 3.7,27.95 SW1.1
  other v1: 0.87,-4.1 11.68,-4.11 6.31,-4.06 2,-4 23,-4 26.6,-4 30,-4 3.711,-3.964 38,-3.5 42,-3.5 44,-3.5 35.125,-3.275 44,-1.5 28.4,0.45 24.904,0.474 44.375,0.85 -4,2 28.4,2 5.65,3.17 -4,4 8.5,4.775 9.5,4.775 10.5,4.775 11.5,4.775 12.5,4.775 13.5,4.775 14.5,4.775 15.5,4.775 25.7,5.025 26.85,5.4 13.407,5.925 -4,6 28.34,6.334 -2.64,7.24 29.729,7.44 -4,8 13,9 7.85,9.575 -4,10 13,10 40.075,10.05 7.7,10.6 23.182,10.619 37.907,10.875 -4,12 36,12.325 37.771,13 18.35,13.45 19.421,13.467 36.255,14.12 44.2,14.175 40.25,14.24 37.771,16.164 32.59,17.842 44,18 1.51,19.94 -4,20 33.5,20.432 35.661,20.521 36.943,21.85 -4,22 44,22 8.592,22.472 1.26,23.065 33.25,23.151 35.769,23.307 -4,24 1.172,24.15 37.65,24.904 27.691,25 29.9,25 39.676,25.168 35.5,25.2 11.87,25.25 13.95,26.55 0.387,26.575 41.085,27.475 32.238,28.05 27.473,28.393 29.24,28.5 7.4,29.027 21.897,29.629 -4,30 6.083,30 38.8,31.8 4.341,32 27.225,32 5.712,32.063 39.85,33.033 28.883,33.383 39.025,34.05 36.025,35 40.958,35.25 39.375,35.5 -4,36 5,36 10,36 12,36 14,36 16,36 18,36 20,36 22,36 24,36 26,36 28,36 30,36 32,36 34,36 35.95,36.525 5,38 34,38 44,38 -4,40 34,40 5,42 7,42 34,42 44,42 0,43.6 5,43.6 7,43.6 34,43.6 36,43.6 38,43.6 42,43.6 44,43.6
GSM_DTR: U4.19
GSM_PWRKEY: J14.2 J22.1 Q9.3 R15.1 SW1.4 U4.7 | length 41.6
  Top Layer w0.4: Q9.3@-1.2,14.69 -1,14.49 J14.2 ; v1(10.45,19.95) 10.53,19.95 v1(13.08,22.5)
  Top Layer w0.5: v1(14,19.3) U4.7 14,14.844 14.724,14.12 R15.1@15.54,14.12
  Bottom Layer w0.4: J22.1 3.49,26.3 3.49,26.262 8.903,20.85 9.55,20.85 v1(10.45,19.95) 9.61,19.11 7.6,19.11 3.78,15.29 J14.2 ; v1(13.08,22.5) 13.67,22.5 14.4,21.77 SW1.4 14.4,19.7 v1(14,19.3)
GSM_RI: U4.20
GSM_RX: J9.2 U4.18 | length 14.4
  Top Layer w0.5: J9.2@19.85,34.175 20.625,33.4 21.357,33.4 24.5,30.257 24.5,24.55 23.95,24 U4.18
GSM_TX: J9.1 U4.17 | length 14.7
  Top Layer w0.5: U4.17 24.137,22.9 25.3,24.063 25.3,31.265 J9.1@22.39,34.175
GSM_VDD: C9.1 C36.1 C37.1 C39.1 J21.2 R16.1 U4.42 U4.43 U4.44 | length 23.3
  Top Layer w0.5: J21.2 2.687,29.643 2.687,27.257 2.1,26.67 2.1,24.12 C39.1 C37.1 3.44,21.8 U4.42 U4.43 U4.44 5.42,19.6 4.4,18.58 3.92,18.1 R16.1@3.16,18.1 ; C36.1@3.16,16.38 R16.1@3.16,18.1 ; R16.1@3.16,18.1 3.16,18.27 3.05,18.16 2.99,18.1 R16.1@3.16,18.1
  Bottom Layer w0.5: C9.1 2.7,18.6 v1(4.38,18.6)
LED_GREEN: D4.1 J7.1 U4.32 | length 49.9
  Top Layer w0.5: v1(10.7,29.6) U4.32 ; v1(24.047,18.297) 29.1,13.244 v1(29.1,11.96)
  Bottom Layer w0.5: v1(10.7,29.6) 11.975,30.875 18.55,30.875 19.45,29.975 19.45,27.7 17.925,26.175 17.925,23.735 21.451,20.209 22.135,20.209 v1(24.047,18.297) ; J7.1 19.05,10.025 D4.1 20.875,8.2 26.235,8.2 29.1,11.065 v1(29.1,11.96)
LED_NETWORK: D6.1 U4.16 | length 6.2
  Top Layer w0.5: U4.16 26.098,21.8 26.148,21.85 26.15,21.85 v1(26.5,22.2)
  Bottom Layer w0.5: v1(26.5,22.2) 27.2,22.9 D6.1
LED_RED: D4.2 J7.2 U4.31 | length 43.5
  Top Layer w0.5: v1(11.8,28.95) U4.31 ; v1(22.37,18.3) v1(27.9,12.77)
  Bottom Layer w0.4: D4.2 21.55,10.225 J7.2
  Bottom Layer w0.5: v1(11.8,28.95) 12.972,30.122 18.003,30.122 18.55,29.575 18.55,27.95 17.21,26.61 17.21,23.46 v1(22.37,18.3) ; D4.2 22.04,9.135 26.18,9.135 27.9,10.855 v1(27.9,12.77)
MICN: C7.2 C8.2 C10.1 C11.1 J1.1 J1.2 J13.1 R8.1 R8.2 U4.4 | length 11.3
  Top Layer w0.5: U4.4 10.6,16.5 R8.2 J1.1 J1.2 R8.1 10.6,12.77 J13.1 10.9,11.43 C7.2 C8.2 10.9,6 C11.1@11,5.9
MICP: C1.2 C2.2 C7.1 C8.1 J1.3 J1.4 J13.2 R7.1 R7.2 U4.3 | length 11.3
  Top Layer w0.5: C2.2 C8.1 C7.1 9.3,11.53 J13.2 9.7,12.77 R7.1 J1.3 J1.4 R7.2 9.7,16.5 U4.3
NetA3_1: A3.1 R6.1 | length 5
  Top Layer w0.5: R6.1@7.4,41 A3.1 A3.1@12.4,41
OUT: Q2.1 R3.2 R5.1 R10.1 U4.22 | length 51.1
  Top Layer w0.5: v1(16.97,3.775) Q2.1 17.77,1.75 18.1,1.42 R3.2 R5.1 ; v1(20.372,28.4) U4.22 ; v1(25.824,18.246) 30.3,13.77 v1(30.3,12.5)
  Bottom Layer w0.5: v1(16.97,3.775) 16.97,5.92 18.12,7.07 26.095,7.07 30.3,11.275 v1(30.3,12.5) ; v1(20.372,28.4) 20.372,27.472 18.725,25.825 18.725,24.045 21.035,21.735 22.335,21.735 v1(25.824,18.246)
OUTPUT: J4.1 Q1.2 Q3.3 | length 11.7
  Top Layer w0.5: Q1.2 21.485,5.05 22.8,6.365 Q3.3
  Top Layer w1.2: Q1.2 21.3,2.9 23.1,1.1 J4.1
POWER: D2.2 J23.2 | length 11
  Top Layer w0.5: v1(39.65,4.275) 40.95,4.275 D2.2
  Bottom Layer w0.5: J23.2 36.05,1.35 36.05,2.025 38.35,4.325 39.65,4.325 v1(39.65,4.275)
POWER5V: D1.2 J23.1 | length 21.5
  Top Layer w0.5: v1(43.075,10.3) D1.2@43.075,12.3
  Bottom Layer w0.5: J23.1 31.65,0.45 33.99,0.45 35.3,1.76 35.3,2.7 39.375,6.775 41.725,6.775 43.075,8.125 v1(43.075,10.3)
PROG: R11.2 R12.1 U2.5 | length 3.3
  Top Layer w0.5: U2.5 10.22,-1.64 R11.2 R12.1
RF_ANT: A1.1 A2.1 R6.2 U4.35 | length 16
  Top Layer w0.5: A2.1 7.4,40 U4.35
SENSE_5V: R1.2 R2.1 U4.21 | length 30.4
  Top Layer w0.5: R1.2 3.625,9.575 4.325,9.575 ; R2.1 4.325,9.575 ; U4.21 19.47,27.3 10.571,18.401 7.129,18.401 5.12,16.391 5.12,11.12 4.325,10.325 4.325,9.575
SIM_CLK: J18.3 U4.13 | length 18.7
  Top Layer w0.5: U4.13 20.6,14.92 21.22,14.3 22.4,14.3 25.9,10.8 30.63,10.8 v1(31.38,11.55) ; J18.3 v1(31.38,9.2)
  Bottom Layer w0.5: v1(31.38,9.2) v1(31.38,11.55)
SIM_GND: C15.2 J18.5 U4.10 | length 41.9
  Top Layer w0.5: U4.10 17.31,16.61 17.31,23.76 18.425,24.875 v1(19.575,24.875) ; v1(26.5,21) 27.9,21 36.46,29.56 J18.5
  Bottom Layer w0.5: v1(19.575,24.875) 24.529,24.875 26.654,27 30.3,27 v1(32.1,25.2) ; v1(26.5,21) 27.8,21 C15.2
SIM_IO: J18.7 U4.11 | length 25.4
  Top Layer w0.5: U4.11 18.4,21.05 20.45,23.1 v1(20.45,26.3) ; v1(31.38,30.2) J18.7
  Bottom Layer w0.5: v1(20.45,26.3) 23.1,26.3 27,30.2 v1(31.38,30.2)
SIM_RST: J18.2 U4.12 | length 20.4
  Top Layer w0.5: U4.12 19.5,14.84 20.97,13.37 22.19,13.37 25.5,10.06 32.99,10.06 33.92,9.13 J18.2
SIM_VDD: C15.1 J18.1 U4.14 | length 22
  Top Layer w0.5: U4.14 26.531,19.6 31.68,14.451 31.68,13.173 36.46,8.393 J18.1
  Bottom Layer w0.5: v1(26.5,19.6) 27.8,19.6 C15.1
SIM_VPP1: J18.6
SPK2P: U4.2
SPKN: C18.2 C19.2 C20.1 C21.1 J10.1 J17.2 U4.6 | length 46
  Top Layer w0.5: U4.6 12.9,14.66 15.6,11.96 J17.2 16.49,10.89 C18.2 ; C18.2 C20.1 C21.1 C19.2 C18.2
  Bottom Layer w0.5: J17.2 16.49,13.48 18.01,15 33.535,15 37.635,19.1 38.4,19.1 J10.1
SPKP: C16.2 C17.2 C18.1 C19.1 J10.3 J17.1 U4.5 | length 45.8
  Top Layer w0.5: U4.5 11.8,14.11 J17.1 14.4,11.51 C18.1 C19.1 C16.2 C17.2
  Bottom Layer w0.5: J17.1 17.69,15.7 33.2,15.7 J10.3
VBAT: C12.1 D3.1 J8.2 J21.1 R16.2 U2.3 | length 47.6
  Top Layer w0.5: J8.2 -1.15,19.21 ; R16.2 1.48,18.07 -0.01,18.07 -1.15,19.21 ; v1(2.179,6.63) 0.579,8.23 -1.9,8.23 -2.91,9.24 -2.91,12.72 -3.43,13.24 -3.43,18.065 -2.285,19.21 -1.15,19.21 ; D3.1 6.42,1 C12.1 U2.3
  Bottom Layer w0.5: J21.1 -3.15,29.34 -3.15,25.72 -2.65,25.22 -2.65,22.43 J8.2 ; v1(2.179,6.63) 4.62,4.189 4.62,0.79 D3.1@5.62,-0.21
pads on no net: SW1.3 SW4.3 U4.8 U4.9 U4.15 U4.23 U4.24 U4.25 U4.29 U4.38 U4.39

## Polygon pours and split planes (outlines as drawn)
GND on Top Layer "Top Layer-No Net" (solid, remove dead copper, pour order 7): -1,-5 45.7,-5 45.7,44.7 -5,44.7 -5,-1
GND on Bottom Layer "Top Layer-No Net2" (solid, remove dead copper, pour order 5): -5,-1 -1,-5 45.7,-5 45.7,44.7 -5,44.7

## Keep-outs
Keep-Out Layer:
  the board outline again, w0.2

## Other copper
Top Layer:
  pour cut-out: 8.75,44.394 8.75,36.502 32.146,36.502 32.15,44.394
Bottom Layer:
  pour cut-out: 10.15,44.394 10.15,36.714 32.146,36.714 32.15,44.394

## Silkscreen, mask and mechanical layers (free items; w line width, h text height)
Top Overlay:
  circle w0.2: c17.3,28.9 r1.75
  lines w0.5: 3.8,11.95 6.34,11.95 8.88,11.95 11.42,11.95 ; 11.41,11.96 13.95,11.96 16.49,11.96 19.03,11.96 21.57,11.96

## Text inside footprints (layer, text, board x,y; h text height)
D3: Mechanical 3 "1" at 4.26,0.83 h0.5 r270
J4: Mechanical 3 "1" at 21.27,-0.48 h0.5
J5: Mechanical 3 "1" at -1.3,35.16 h0.5 r270
J6: Mechanical 3 "1" at -1.64,4.65 h0.5 r90
J7: Mechanical 3 "C" at 18.071,12.25 h0.5 r180; Bottom Overlay "C" at 16.757,12.4 h0.75 r180
J8: Mechanical 3 "1" at -2.1,24.51 h0.5 r270
J9: Mechanical 3 "3" at 16.517,35.35 h0.5 r180; Mechanical 3 "1" at 23.26,35.3 h0.5 r180
J10: Mechanical 3 "1" at 42.6,13.59 h0.5 r270
J14: Mechanical 3 "1" at 7.36,15.44 h0.5 r180
J15: Mechanical 3 "3" at 7.033,11 h0.5; Mechanical 3 "1" at 0.29,11.05 h0.5
J17: Mechanical 3 "1" at 12.91,11.01 h0.5
J21: Mechanical 3 "1" at -2.39,30.19 h0.5
J22: Mechanical 3 "1" at 2.23,29.55 h0.5 r180
J23: Mechanical 3 "1" at 28.27,-0.48 h0.5
J27: Mechanical 3 "1" at 43.125,6.51 h0.5 r270
J28: Mechanical 3 "1" at 21.27,-0.48 h0.5